# Altium PCB LH-RAM_OB_USB_A_V1.0(DY)20170519.PcbDoc (part 1 of 3)
Units mm, origin at the board's own origin, x right, y up, seen from the top; angles counter-clockwise.
Board outline 99.09 x 92.63 mm, 2 copper layers (Top Layer, Bottom Layer); 280 components, 27 nets, 1180 pads, 290 vias.
Unrouted connection lines stored in the file: 234.
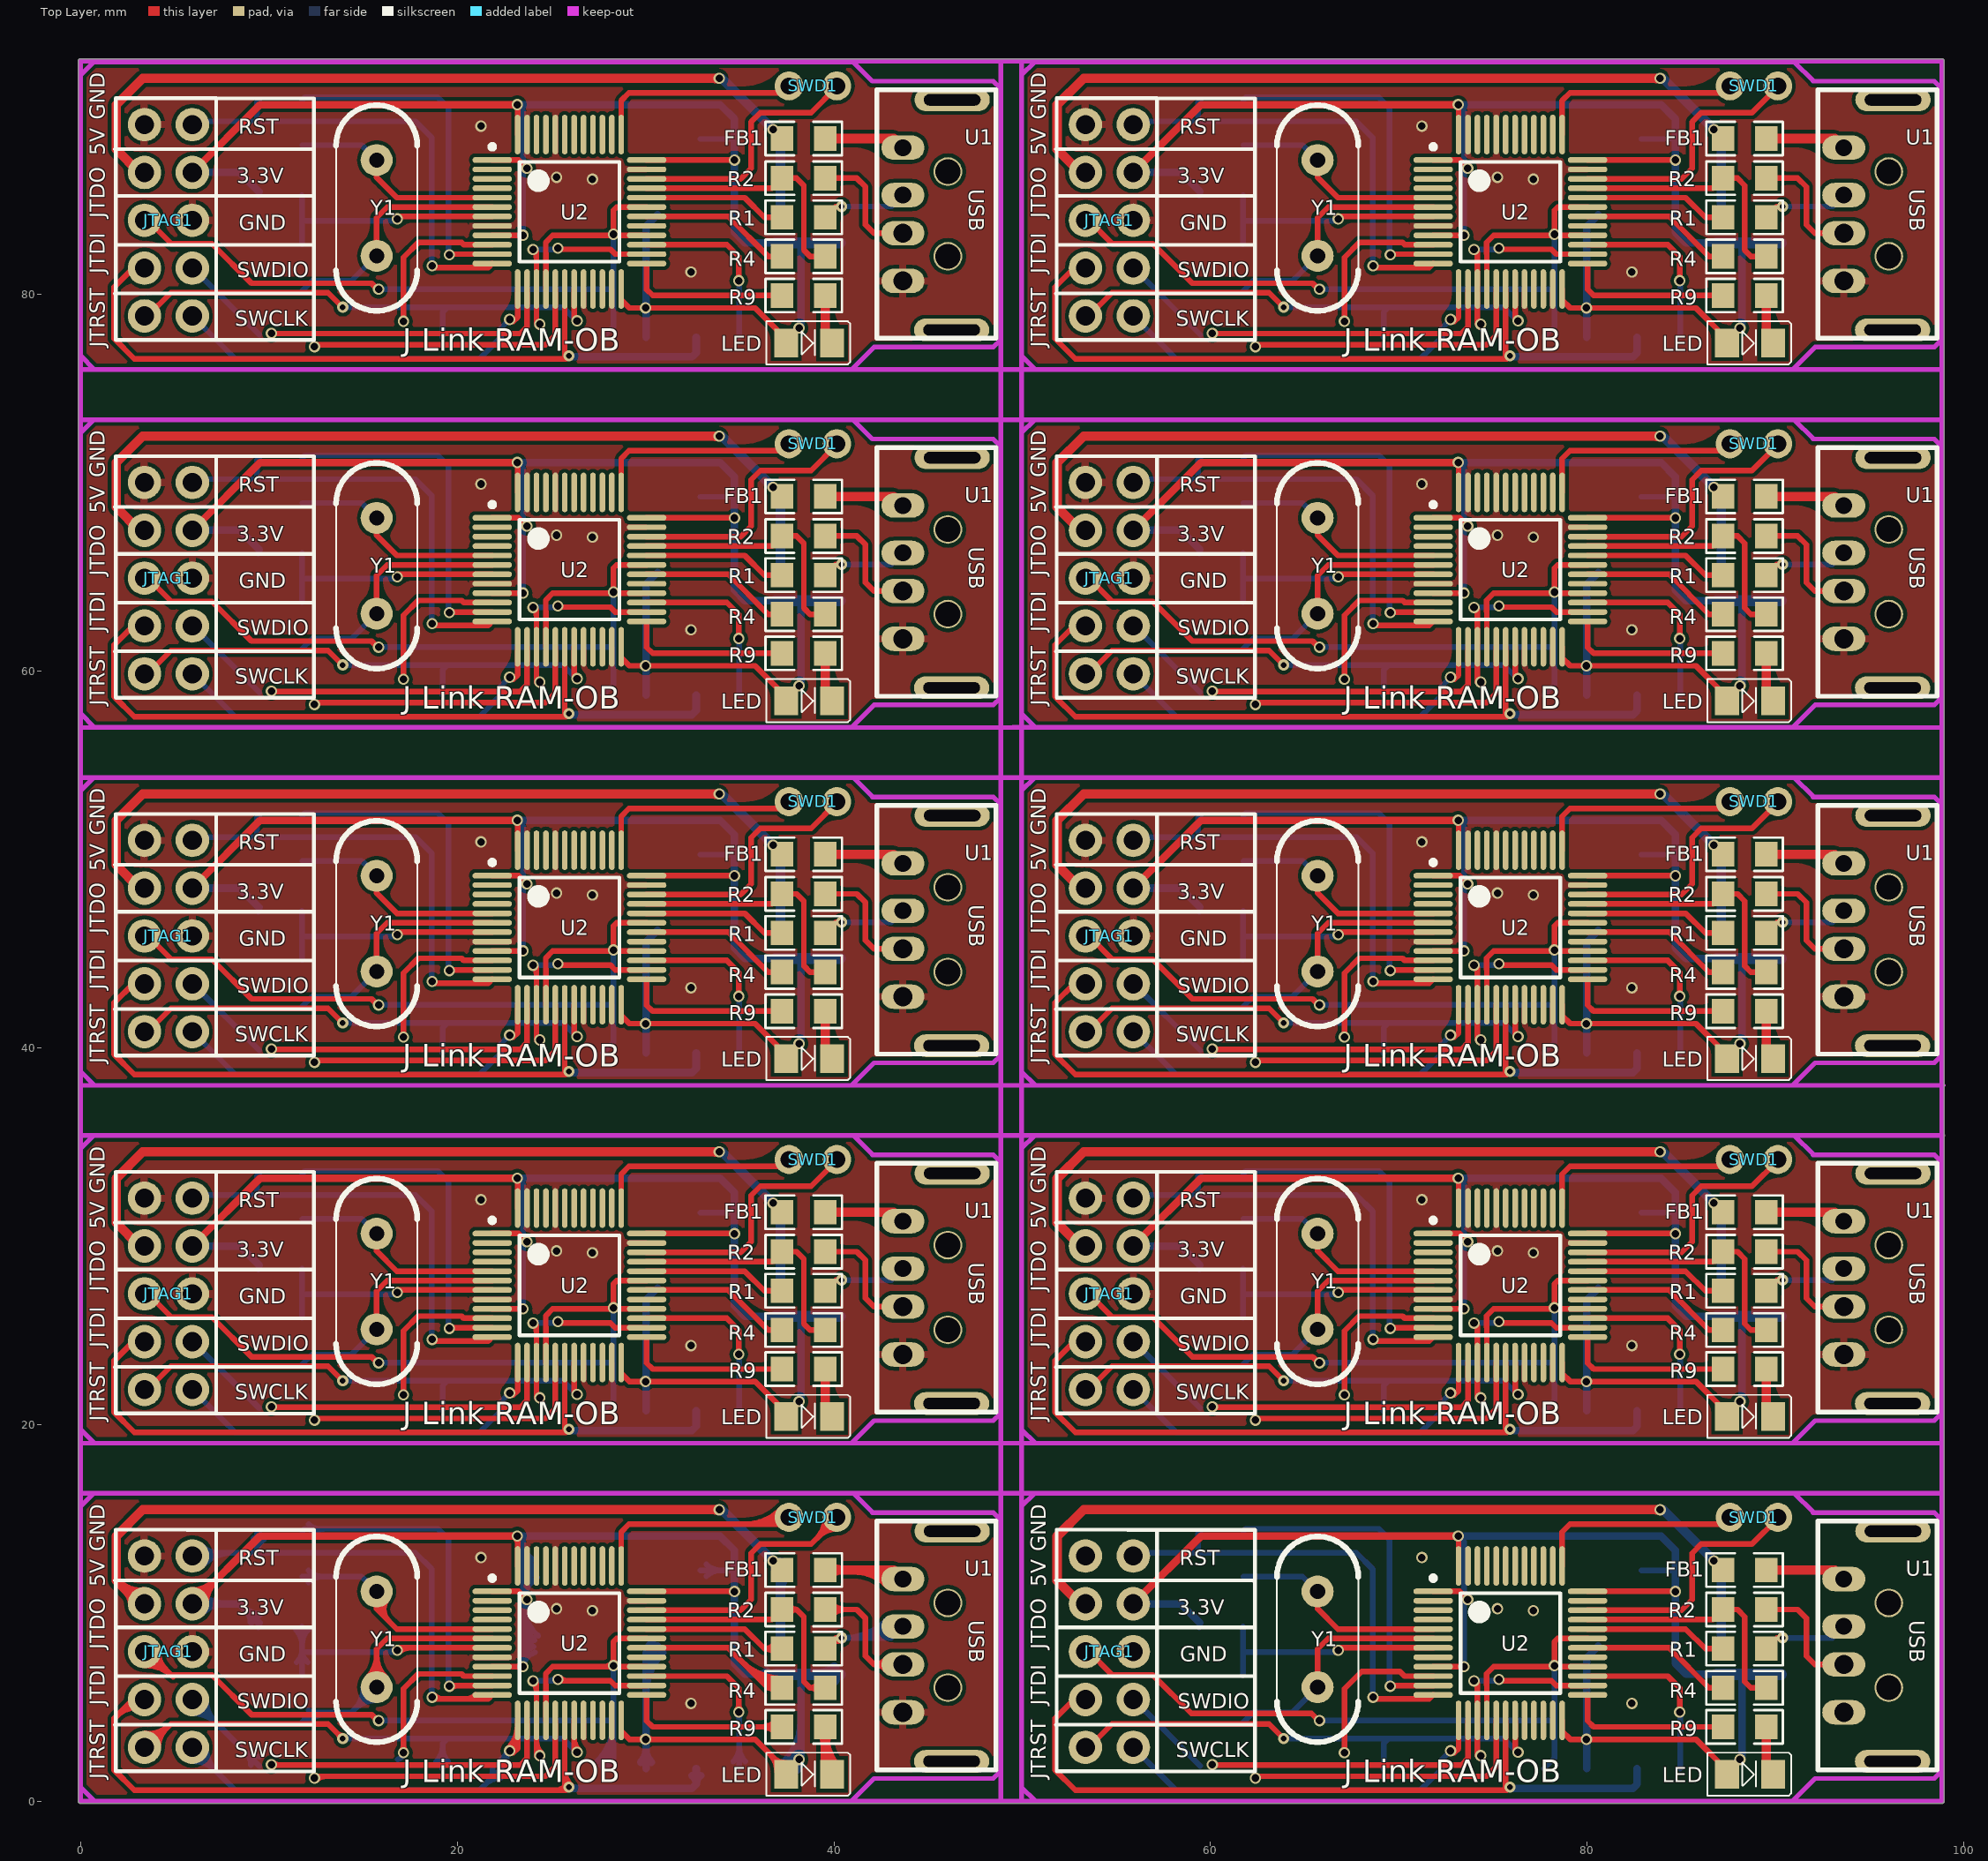
[diagram p0: Top Layer view]
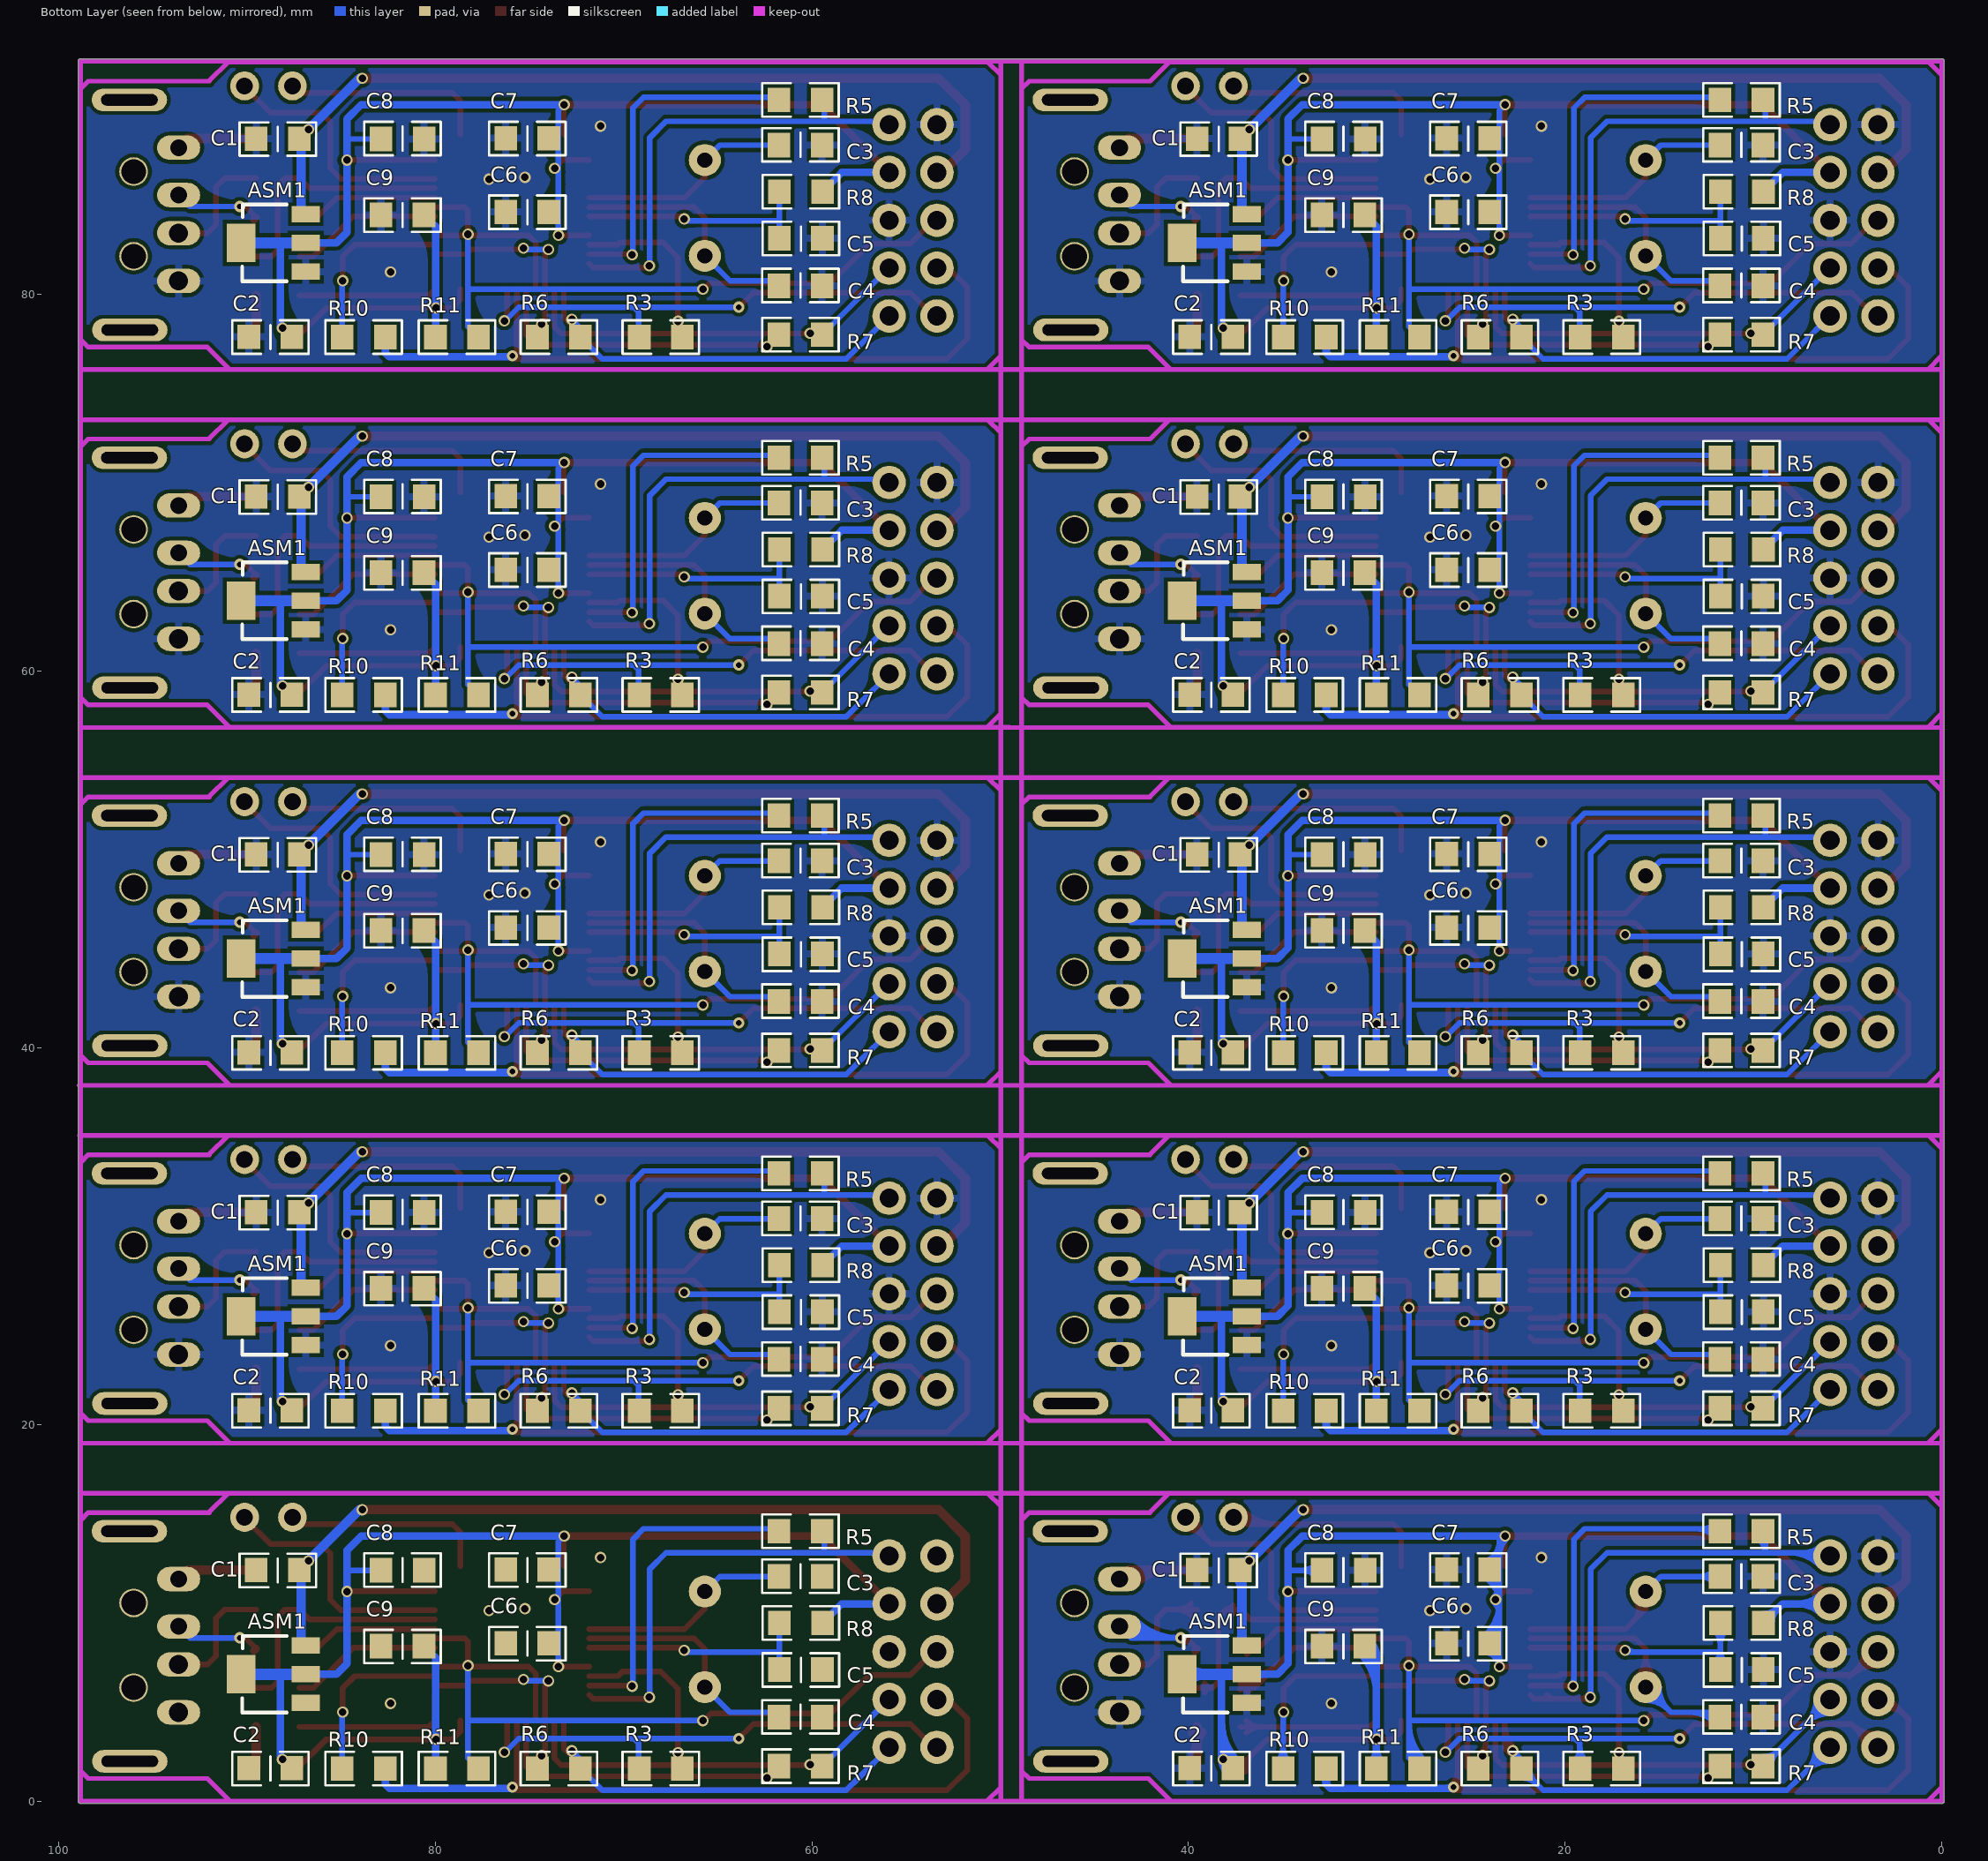
[diagram p1: Bottom Layer view, seen from below]

## Layer stack, top to bottom
Top Solder: solder mask 0.0102, Solder Resist, Dk 3.5
Top Layer: signal copper 0.0356
Dielectric1: dielectric 0.32, FR-4, Dk 4.8
Bottom Layer: signal copper 0.0356
Bottom Solder: solder mask 0.0102, Solder Resist, Dk 3.5

## Board outline
0,-0.127 cw(c0,0) -0.127,0 -0.127,92.38 cw(c0,92.38) 0,92.507 98.806,92.507 cw(c98.806,92.38) 98.819,92.507 cw(c98.831,92.38) 98.959,92.38 98.959,0.025 cw(c98.831,0.025) 98.958,0.013 cw(c98.831,0) 98.959,0 cw(c98.831,0) 98.831,-0.127

## Design rules (kind name [scope] priority, off if disabled: settings)
Clearance [All] p1: gap=0.2
FabricationTestPointUsage TestPointUsage [All] p1: valid=0 allowmultiple=FALSE
FabricationTestpoint Testpoint [(IsPad And (OnTopLayer Or OnBottomLayer))] p1: side=3 testpointundercomponent=TRUE minsize=1.016 maxsize=2.54 preferedsize=1.524 minholesize=0 maxholesize=1.016 preferedholesize=0.813 testpointgrid=0.025 allowsidetop=TRUE allowsidebottom=TRUE usegrid=TRUE gridtolerance=0
HoleToHoleClearance [All] p1: gap=0.203 allowstackedmicrovias=TRUE
MinimumSolderMaskSliver [All] p1: minsoldermaskwidth=0.203
PlaneConnect PlaneConnect_1 [All] p1: planeconnectstyle=Relief reliefexpansion=0.508 reliefentries=4 reliefconductorwidth=0.254 reliefairgap=0.254
PlaneConnect [All] p2: planeconnectstyle=Direct reliefexpansion=0.508 reliefentries=4 reliefconductorwidth=0.4 reliefairgap=0.254
PolygonConnect PolygonConnect_1 [All vs IsVia] p1: connectstyle=Direct reliefconductorwidth=0.254 reliefentries=4 polygonreliefangle="90 Angle" airgapwidth=0.254
PolygonConnect [All] p2: connectstyle=Relief reliefconductorwidth=0.4 reliefentries=4 polygonreliefangle="90 Angle" airgapwidth=0.254
RoutingVias [All] p1: holewidth=0.3 width=0.5 viastyle="Through Hole" minholewidth=0.3 minwidth=0.5 maxholewidth=0.3 maxwidth=1.27
SilkToSilkClearance [All] p1: silktosilkclearance=0.203
SilkToSolderMaskClearance SilkscreenOverComponentPads [IsPad] p1: minsilkscreentomaskgap=0.152 clearancetoexposedcopper=TRUE
SolderMaskExpansion [All] p1: expansion=0.102
Width [All] p1: maxlimit=0.6 minlimit=0.3 preferedwidth=0.3
23 further rules are at their usual default settings.

## Classes and differential pairs
component class RAM-OB: ASM1 C1 C2 C3 C4 C5 C6 C7 C8 C9 FB1 JTAG1 LED R1 R2 R3 R4 R5 R6 R7 R8 R9 R10 R11 SWD1 U1 U2 Y1

## Components (designator, comment, footprint, x,y, rotation, side; value= is the part's Value field where it differs from the comment)
ASM1 "ASM1117-3.3" SOT-89 91.44,6.731 r90 bottom
ASM1 "ASM1117-3.3" SOT-89 91.44,25.73 r90 bottom
ASM1 "ASM1117-3.3" SOT-89 91.44,44.73 r90 bottom
ASM1 "ASM1117-3.3" SOT-89 91.44,63.73 r90 bottom
ASM1 "ASM1117-3.3" SOT-89 91.44,82.73 r90 bottom
ASM1 "ASM1117-3.3" SOT-89 41.478,82.73 r90 bottom
ASM1 "ASM1117-3.3" SOT-89 41.478,63.73 r90 bottom
ASM1 "ASM1117-3.3" SOT-89 41.478,44.73 r90 bottom
ASM1 "ASM1117-3.3" SOT-89 41.478,25.73 r90 bottom
ASM1 "ASM1117-3.3" SOT-89 41.478,6.731 r90 bottom
C1 "10uF" C0805 87.216,12.243 r0 bottom
C1 "10uF" C0805 87.216,31.242 r0 bottom
C1 "10uF" C0805 87.216,50.242 r0 bottom
C1 "10uF" C0805 87.216,69.242 r0 bottom
C1 "10uF" C0805 87.216,88.242 r0 bottom
C1 "10uF" C0805 37.254,88.242 r0 bottom
C1 "10uF" C0805 37.254,69.242 r0 bottom
C1 "10uF" C0805 37.254,50.242 r0 bottom
C1 "10uF" C0805 37.254,31.242 r0 bottom
C1 "10uF" C0805 37.254,12.243 r0 bottom
C2 "22UF" C0805 87.605,1.727 r0 bottom
C2 "22UF" C0805 87.605,20.726 r0 bottom
C2 "22UF" C0805 87.605,39.726 r0 bottom
C2 "22UF" C0805 87.605,58.726 r0 bottom
C2 "22UF" C0805 87.605,77.726 r0 bottom
C2 "22UF" C0805 37.643,77.726 r0 bottom
C2 "22UF" C0805 37.643,58.726 r0 bottom
C2 "22UF" C0805 37.643,39.726 r0 bottom
C2 "22UF" C0805 37.643,20.726 r0 bottom
C2 "22UF" C0805 37.643,1.727 r0 bottom
C3 "33pF" C0805 61.747,11.938 r180 bottom
C3 "33pF" C0805 61.747,30.937 r180 bottom
C3 "33pF" C0805 61.747,49.937 r180 bottom
C3 "33pF" C0805 61.747,68.937 r180 bottom
C3 "33pF" C0805 61.747,87.937 r180 bottom
C3 "33pF" C0805 11.786,87.937 r180 bottom
C3 "33pF" C0805 11.786,68.937 r180 bottom
C3 "33pF" C0805 11.786,49.937 r180 bottom
C3 "33pF" C0805 11.786,30.937 r180 bottom
C3 "33pF" C0805 11.786,11.938 r180 bottom
C4 "33pF" C0805 61.747,4.47 r180 bottom
C4 "33pF" C0805 61.747,23.47 r180 bottom
C4 "33pF" C0805 61.747,42.47 r180 bottom
C4 "33pF" C0805 61.747,61.47 r180 bottom
C4 "33pF" C0805 61.747,80.47 r180 bottom
C4 "33pF" C0805 11.786,80.47 r180 bottom
C4 "33pF" C0805 11.786,61.47 r180 bottom
C4 "33pF" C0805 11.786,42.47 r180 bottom
C4 "33pF" C0805 11.786,23.47 r180 bottom
C4 "33pF" C0805 11.786,4.47 r180 bottom
C5 "104" C0805 59.436,6.96 r0 bottom
C5 "104" C0805 59.436,25.959 r0 bottom
C5 "104" C0805 59.436,44.959 r0 bottom
C5 "104" C0805 59.436,63.959 r0 bottom
C5 "104" C0805 59.436,82.959 r0 bottom
C5 "104" C0805 9.474,82.959 r0 bottom
C5 "104" C0805 9.474,63.959 r0 bottom
C5 "104" C0805 9.474,44.959 r0 bottom
C5 "104" C0805 9.474,25.959 r0 bottom
C5 "104" C0805 9.474,6.96 r0 bottom
C6 "104" C0805 73.965,8.357 r0 bottom
C6 "104" C0805 73.965,27.356 r0 bottom
C6 "104" C0805 73.965,46.356 r0 bottom
C6 "104" C0805 73.965,65.356 r0 bottom
C6 "104" C0805 73.965,84.356 r0 bottom
C6 "104" C0805 24.003,84.356 r0 bottom
C6 "104" C0805 24.003,65.356 r0 bottom
C6 "104" C0805 24.003,46.356 r0 bottom
C6 "104" C0805 24.003,27.356 r0 bottom
C6 "104" C0805 24.003,8.357 r0 bottom
C7 "104" C0805 73.965,12.268 r0 bottom
C7 "104" C0805 73.965,31.267 r0 bottom
C7 "104" C0805 73.965,50.267 r0 bottom
C7 "104" C0805 73.965,69.267 r0 bottom
C7 "104" C0805 73.965,88.267 r0 bottom
C7 "104" C0805 24.003,88.267 r0 bottom
C7 "104" C0805 24.003,69.267 r0 bottom
C7 "104" C0805 24.003,50.267 r0 bottom
C7 "104" C0805 24.003,31.267 r0 bottom
C7 "104" C0805 24.003,12.268 r0 bottom
C8 "104" C0805 82.876,12.268 r180 bottom
C8 "104" C0805 82.876,31.267 r180 bottom
C8 "104" C0805 82.876,50.267 r180 bottom
C8 "104" C0805 82.876,69.267 r180 bottom
C8 "104" C0805 82.876,88.267 r180 bottom
C8 "104" C0805 32.915,88.267 r180 bottom
C8 "104" C0805 32.915,69.267 r180 bottom
C8 "104" C0805 32.915,50.267 r180 bottom
C8 "104" C0805 32.915,31.267 r180 bottom
C8 "104" C0805 32.915,12.268 r180 bottom
C9 "104" C0805 80.59,8.204 r0 bottom
C9 "104" C0805 80.59,27.203 r0 bottom
C9 "104" C0805 80.59,46.203 r0 bottom
C9 "104" C0805 80.59,65.203 r0 bottom
C9 "104" C0805 80.59,84.203 r0 bottom
C9 "104" C0805 30.629,84.203 r0 bottom
C9 "104" C0805 30.629,65.203 r0 bottom
C9 "104" C0805 30.629,46.203 r0 bottom
C9 "104" C0805 30.629,27.203 r0 bottom
C9 "104" C0805 30.629,8.204 r0 bottom
FB1 "500mA" R0805 89.502,12.268 r180 top
FB1 "500mA" R0805 89.502,31.267 r180 top
FB1 "500mA" R0805 89.502,50.267 r180 top
FB1 "500mA" R0805 89.502,69.267 r180 top
FB1 "500mA" R0805 89.502,88.267 r180 top
FB1 "500mA" R0805 39.54,88.267 r180 top
FB1 "500mA" R0805 39.54,69.267 r180 top
FB1 "500mA" R0805 39.54,50.267 r180 top
FB1 "500mA" R0805 39.54,31.267 r180 top
FB1 "500mA" R0805 39.54,12.268 r180 top
JTAG1 "Header 5X2" F2.54-2*5 55.896,2.85 r90 top
JTAG1 "Header 5X2" F2.54-2*5 55.896,21.849 r90 top
JTAG1 "Header 5X2" F2.54-2*5 55.896,40.849 r90 top
JTAG1 "Header 5X2" F2.54-2*5 55.896,59.849 r90 top
JTAG1 "Header 5X2" F2.54-2*5 55.896,78.849 r90 top
JTAG1 "Header 5X2" F2.54-2*5 5.934,78.849 r90 top
JTAG1 "Header 5X2" F2.54-2*5 5.934,59.849 r90 top
JTAG1 "Header 5X2" F2.54-2*5 5.934,40.849 r90 top
JTAG1 "Header 5X2" F2.54-2*5 5.934,21.849 r90 top
JTAG1 "Header 5X2" F2.54-2*5 5.934,2.85 r90 top
LED "LED0" LED0805 87.427,1.422 r0 top (schematic designator D1)
LED "LED0" LED0805 87.427,20.422 r0 top (schematic designator D1)
LED "LED0" LED0805 87.427,39.422 r0 top (schematic designator D1)
LED "LED0" LED0805 87.427,58.422 r0 top (schematic designator D1)
LED "LED0" LED0805 87.427,77.422 r0 top (schematic designator D1)
LED "LED0" LED0805 37.465,77.422 r0 top (schematic designator D1)
LED "LED0" LED0805 37.465,58.422 r0 top (schematic designator D1)
LED "LED0" LED0805 37.465,39.422 r0 top (schematic designator D1)
LED "LED0" LED0805 37.465,20.422 r0 top (schematic designator D1)